# Altium PCB ADCS_PCB_2.PcbDoc (part 1 of 3) (continued)
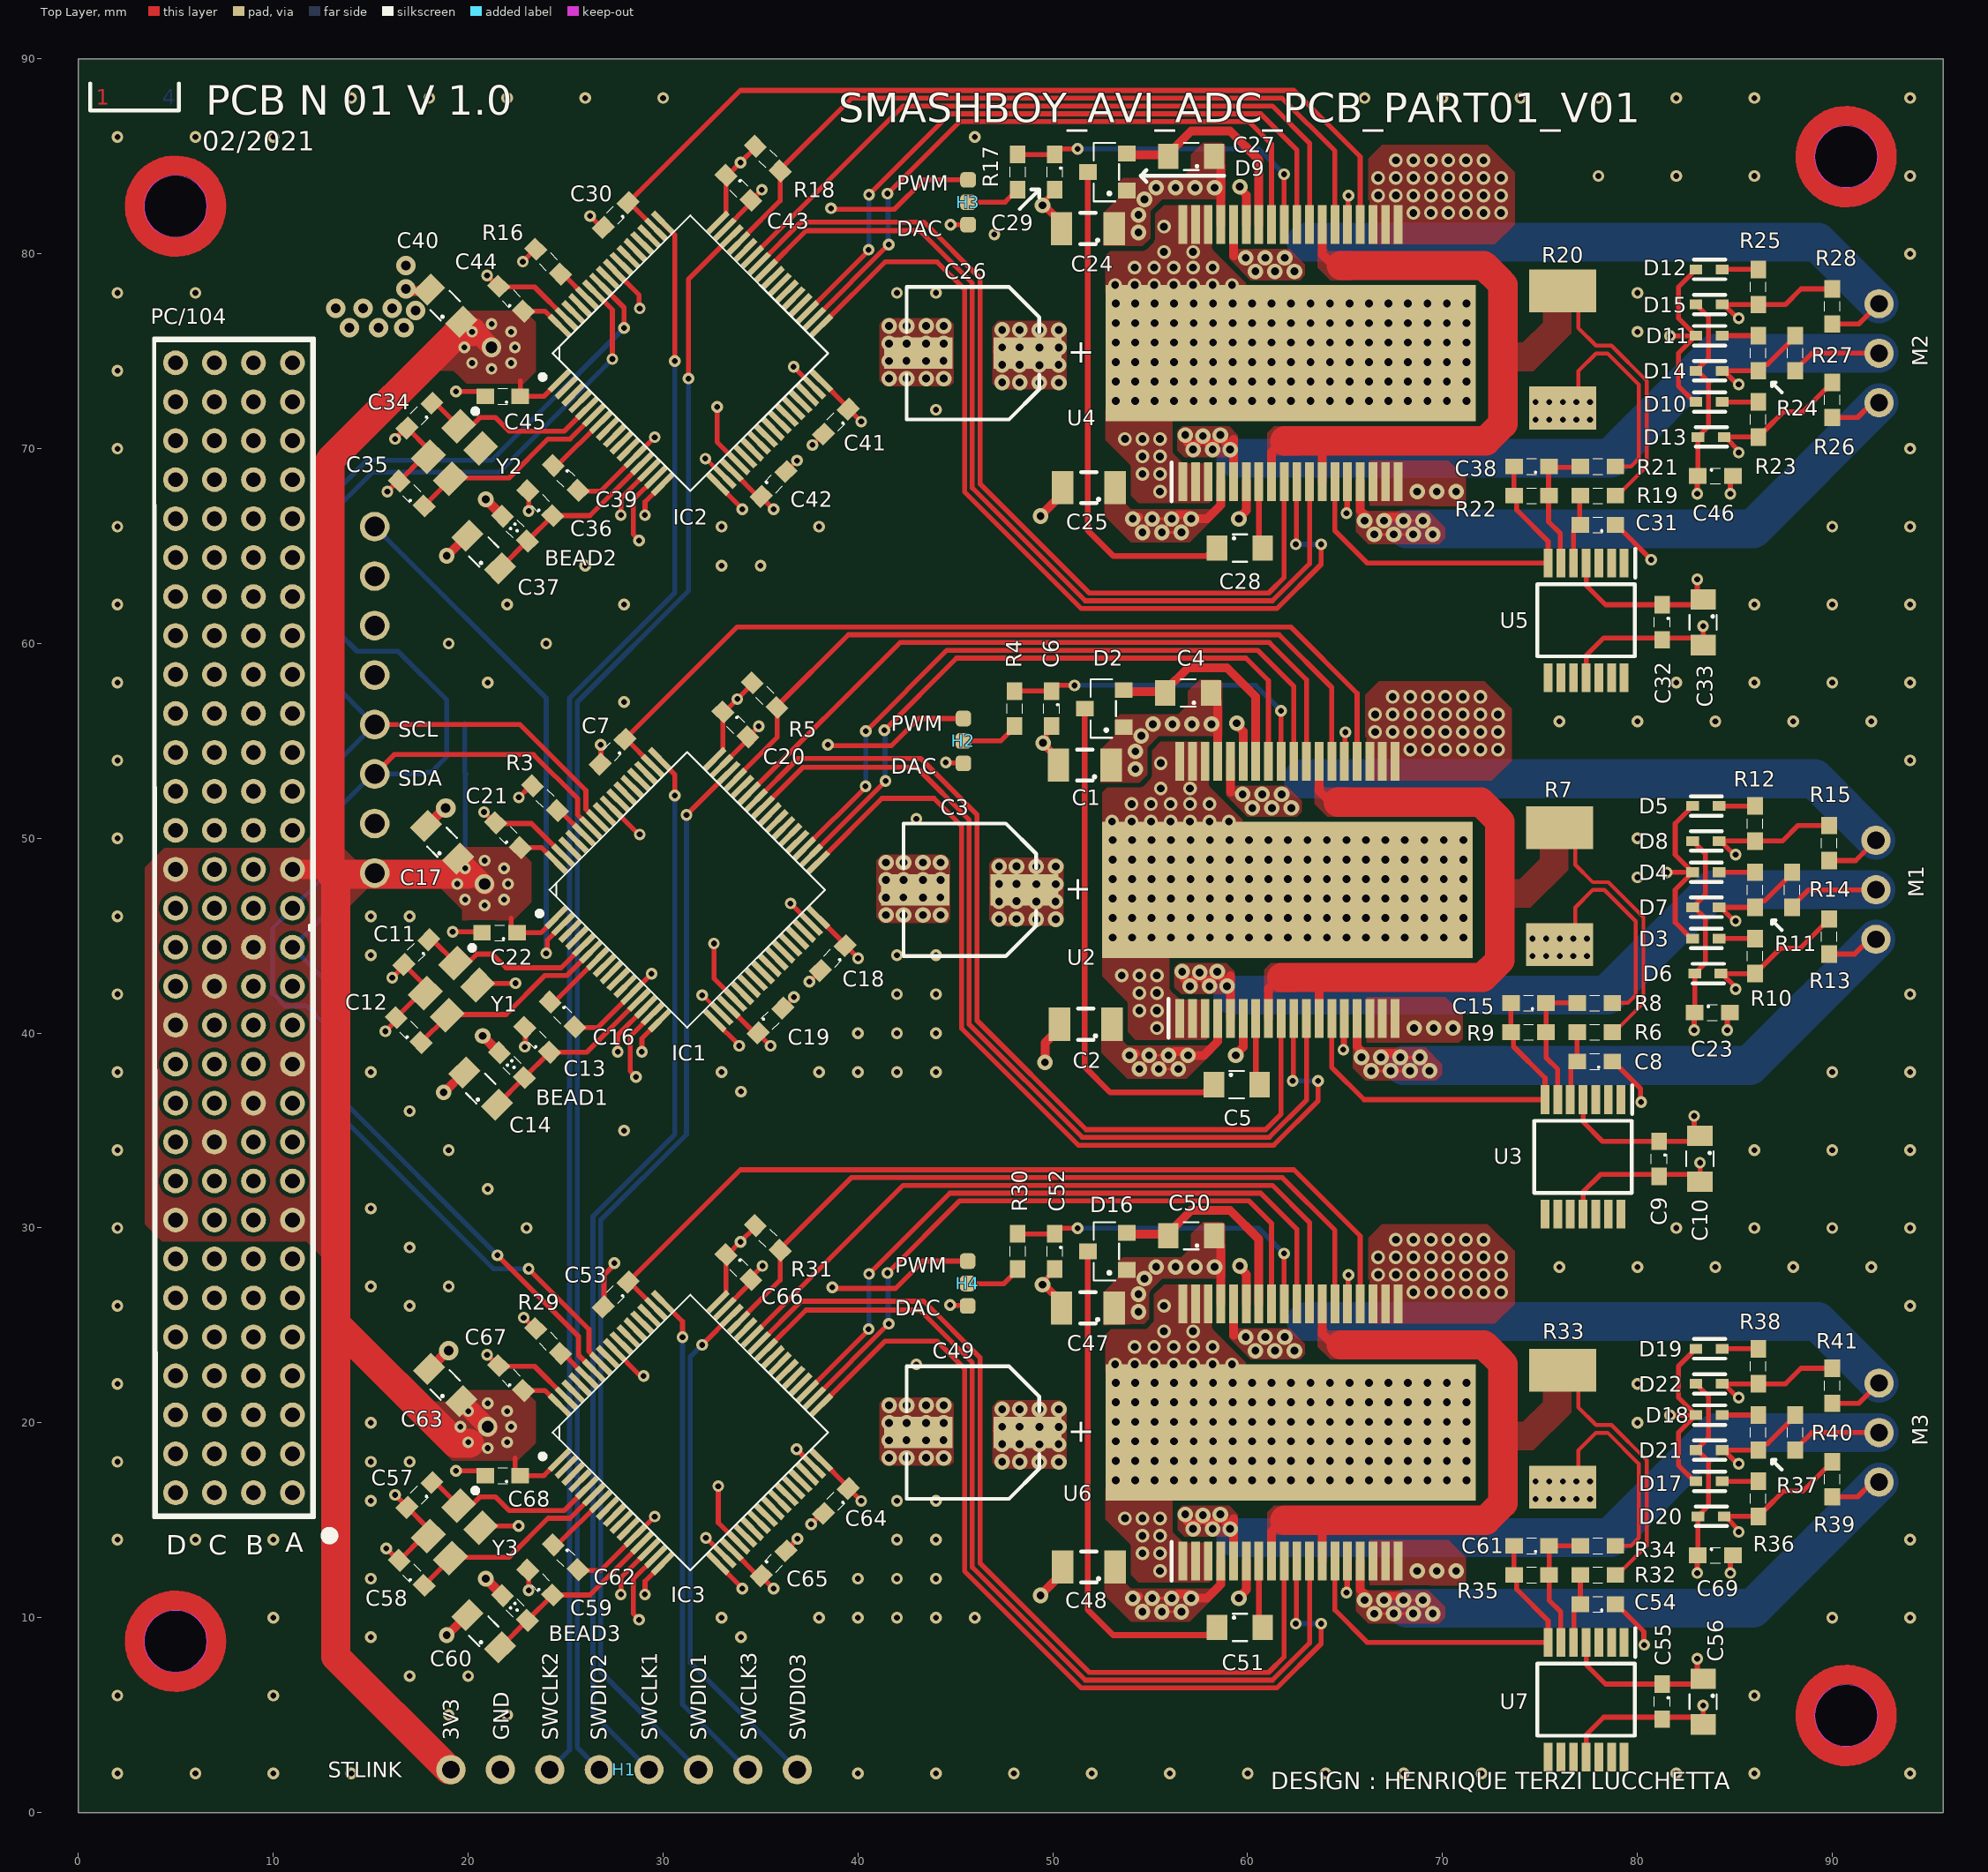
[diagram p0: Top Layer view]
## Components (designator, comment, footprint, x,y, rotation, side; value= is the part's Value field where it differs from the comment)
BEAD1 "600R @ 100MHz" IND0603 22.24,38.36 r135 top
BEAD2 "600R @ 100MHz" IND0603 22.4,65.9 r135 top
BEAD3 "600R @ 100MHz" IND0603 22.4,10.5 r135 top
C1 "100nF, 100V" CAP1206_090 51.64,53.76 r180 top
C2 "100nF, 100V" CAP1206_090 51.69,40.46 r180 top
C3 "100uF, 35V" WCAP-ASLI_6.3x7.7 45.74,47.36 r0 top
C4 "220nF, 16V" CAP0805_085 56.94,57.46 r180 top
C5 "100nF, 100V" CAP0805_085 59.44,37.36 r0 top
C6 "100nF, 6.3V" CAP0603_060 49.94,56.66 r270 top
C7 "1nF" CAP0603_060 27.41,54.45 r225 top
C8 "680pF" CAP0603_060 77.81,38.55 r180 top
C9 "100nF" CAP0603_060 81.11,33.55 r270 top
C10 "4.7uF" CAP0805_085 83.21,33.55 r270 top
C11 "22pF" CAP0603_060 17.34,44.16 r225 top
C12 "22pF" CAP0603_060 16.94,40.16 r135 top
C13 "10nF" CAP0603_040 23.54,39.66 r135 top
C14 "1uF" CAP0805_085 20.64,37.16 r135 top
C15 "100pF" CAP0603_060 74.41,41.55 r180 top
C16 "100nF" CAP0603_060 24.84,40.96 r315 top
C17 "4.7uF" CAP0805_125 18.66,49.8 r135 top
C18 "100nF" CAP0603_060 38.71,43.85 r225 top
C19 "100nF" CAP0603_060 35.51,40.65 r45 top
C20 "100nF" CAP0603_060 33.71,55.85 r315 top
C21 "100nF" CAP0603_060 22.04,50.16 r135 top
C22 "1uF" CAP0603_090 21.61,45.15 r180 top
C23 "100nF, 6.3V" CAP0603_060 83.84,41.06 r0 top
C24 "100nF, 100V" CAP1206_090 51.8,81.3 r180 top
C25 "100nF, 100V" CAP1206_090 51.85,68 r180 top
C26 "100uF, 35V" WCAP-ASLI_6.3x7.7 45.9,74.9 r0 top
C27 "220nF, 16V" CAP0805_085 57.1,85 r180 top
C28 "100nF, 100V" CAP0805_085 59.6,64.9 r0 top
C29 "100nF, 6.3V" CAP0603_060 50.1,84.2 r270 top
C30 "1nF" CAP0603_060 27.57,81.99 r225 top
C31 "680pF" CAP0603_060 77.97,66.09 r180 top
C32 "100nF" CAP0603_060 81.27,61.09 r270 top
C33 "4.7uF" CAP0805_085 83.37,61.09 r270 top
C34 "22pF" CAP0603_060 17.5,71.7 r225 top
C35 "22pF" CAP0603_060 17.1,67.7 r135 top
C36 "10nF" CAP0603_040 23.7,67.2 r135 top
C37 "1uF" CAP0805_085 20.8,64.7 r135 top
C38 "100pF" CAP0603_060 74.57,69.09 r180 top
C39 "100nF" CAP0603_060 25,68.5 r315 top
C40 "4.7uF" CAP0805_125 18.82,77.34 r135 top
C41 "100nF" CAP0603_060 38.87,71.39 r225 top
C42 "100nF" CAP0603_060 35.67,68.19 r45 top
C43 "100nF" CAP0603_060 33.87,83.39 r315 top
C44 "100nF" CAP0603_060 22.2,77.7 r135 top
C45 "1uF" CAP0603_090 21.77,72.69 r180 top
C46 "100nF, 6.3V" CAP0603_060 84,68.6 r0 top
C47 "100nF, 100V" CAP1206_090 51.8,25.9 r180 top
C48 "100nF, 100V" CAP1206_090 51.85,12.6 r180 top
C49 "100uF, 35V" WCAP-ASLI_6.3x7.7 45.9,19.5 r0 top
C50 "220nF, 16V" CAP0805_085 57.1,29.6 r180 top
C51 "100nF, 100V" CAP0805_085 59.6,9.5 r0 top
C52 "100nF, 6.3V" CAP0603_060 50.1,28.8 r270 top
C53 "1nF" CAP0603_060 27.57,26.59 r225 top
C54 "680pF" CAP0603_060 77.97,10.69 r180 top
C55 "100nF" CAP0603_060 81.27,5.69 r270 top
C56 "4.7uF" CAP0805_085 83.37,5.69 r270 top
C57 "22pF" CAP0603_060 17.5,16.3 r225 top
C58 "22pF" CAP0603_060 17.1,12.3 r135 top
C59 "10nF" CAP0603_040 23.7,11.8 r135 top
C60 "1uF" CAP0805_085 20.8,9.3 r135 top
C61 "100pF" CAP0603_060 74.57,13.69 r180 top
C62 "100nF" CAP0603_060 25,13.1 r315 top
C63 "4.7uF" CAP0805_125 18.82,21.94 r135 top
C64 "100nF" CAP0603_060 38.87,15.99 r225 top
C65 "100nF" CAP0603_060 35.67,12.79 r45 top
C66 "100nF" CAP0603_060 33.87,27.99 r315 top
C67 "100nF" CAP0603_060 22.2,22.3 r135 top
C68 "1uF" CAP0603_090 21.77,17.29 r180 top
C69 "100nF, 6.3V" CAP0603_060 84,13.2 r0 top
D1 "SMBJ48A" DO-214AA 14,81 r270 bottom
D2 "SMBD 7000" SOT-23 52.64,56.66 r180 top
D3 "BAT30KFILM" SOD-523 83.54,44.86 r0 top
D4 "BAT30KFILM" SOD-523 83.54,48.26 r0 top
D5 "BAT30KFILM" SOD-523 83.54,51.66 r0 top
D6 "BAT30KFILM" SOD-523 83.64,43.06 r0 top
D7 "BAT30KFILM" SOD-523 83.54,46.46 r0 top
D8 "BAT30KFILM" SOD-523 83.54,49.86 r0 top
D9 "SMBD 7000" SOT-23 52.8,84.2 r180 top
D10 "BAT30KFILM" SOD-523 83.7,72.4 r0 top
D11 "BAT30KFILM" SOD-523 83.7,75.8 r0 top
D12 "BAT30KFILM" SOD-523 83.7,79.2 r0 top
D13 "BAT30KFILM" SOD-523 83.8,70.6 r0 top
D14 "BAT30KFILM" SOD-523 83.7,74 r0 top
D15 "BAT30KFILM" SOD-523 83.7,77.4 r0 top
D16 "SMBD 7000" SOT-23 52.8,28.8 r180 top
D17 "BAT30KFILM" SOD-523 83.7,17 r0 top
D18 "BAT30KFILM" SOD-523 83.7,20.4 r0 top
D19 "BAT30KFILM" SOD-523 83.7,23.8 r0 top
D20 "BAT30KFILM" SOD-523 83.8,15.2 r0 top
D21 "BAT30KFILM" SOD-523 83.7,18.6 r0 top
D22 "BAT30KFILM" SOD-523 83.7,22 r0 top
H1 "STLINK" Header-8P 28,2.2 r0 top locked
H2 "Header 3P" Header-3P#1 45.41,55.01 r270 top
H3 "Header 3P" Header-3P#2 45.57,82.55 r270 top
H4 "Header 3P" Header-3P#3 45.65,27.2 r270 top
IC1 "STM32F302R8" LQFP-64-10X10X5 31.24,47.36 r45 top
IC2 "STM32F302R8" LQFP-64-10X10X5 31.4,74.9 r45 top
IC3 "STM32F302R8" LQFP-64-10X10X5 31.4,19.5 r45 top
M1 "Motor" Header-3P#4 92.24,47.36 r90 top
M2 "Motor" Header-3P#4 92.4,74.9 r90 top
M3 "Motor" Header-3P#4 92.4,19.5 r90 top
PC/104 "1375799-1" 1375799-1 4.98,16.41 r0 top locked
R1 "10k" RES0603 18.92,55.89 r0 bottom
R2 "10k" RES0603 18.92,53.34 r0 bottom
R3 "10k" RES0603 23.94,52.06 r135 top
R4 "33k" RES0603 48.04,56.66 r270 top
R5 "10k" RES0603 35.21,57.35 r135 top
R6 "680R" RES0603 77.81,40.05 r180 top
R7 "0.33R 1W" RES2512 76.01,47.55 r90 top
R8 "2.2k" RES0603 77.81,41.55 r180 top
R9 "4.4k" RES0603 74.41,40.05 r180 top
R10 "2k2" RES0603 86.04,43.96 r90 top
R11 "2k2" RES0603 86.04,47.36 r90 top
R12 "2k2" RES0603 86.04,50.76 r90 top
R13 "10k" RES0603 89.84,44.96 r270 top
R14 "10k" RES0603 87.94,47.36 r270 top
R15 "10k" RES0603 89.84,49.76 r270 top
R16 "10k" RES0603 24.1,79.6 r135 top
R17 "33k" RES0603 48.2,84.2 r270 top
R18 "10k" RES0603 35.37,84.89 r135 top
R19 "680R" RES0603 77.97,67.59 r180 top
R20 "0.33R 1W" RES2512 76.17,75.09 r90 top
R21 "2.2k" RES0603 77.97,69.09 r180 top
R22 "4.4k" RES0603 74.57,67.59 r180 top
R23 "2k2" RES0603 86.2,71.5 r90 top
R24 "2k2" RES0603 86.2,74.9 r90 top
R25 "2k2" RES0603 86.2,78.3 r90 top
R26 "10k" RES0603 90,72.5 r270 top
R27 "10k" RES0603 88.1,74.9 r270 top
R28 "10k" RES0603 90,77.3 r270 top
R29 "10k" RES0603 24.1,24.2 r135 top
R30 "33k" RES0603 48.2,28.8 r270 top
R31 "10k" RES0603 35.37,29.49 r135 top
R32 "680R" RES0603 77.97,12.19 r180 top
R33 "0.33R 1W" RES2512 76.17,19.69 r90 top
R34 "2.2k" RES0603 77.97,13.69 r180 top
R35 "4.4k" RES0603 74.57,12.19 r180 top
R36 "2k2" RES0603 86.2,16.1 r90 top
R37 "2k2" RES0603 86.2,19.5 r90 top
R38 "2k2" RES0603 86.2,22.9 r90 top
R39 "10k" RES0603 90,17.1 r270 top
R40 "10k" RES0603 88.1,19.5 r270 top
R41 "10k" RES0603 90,21.9 r270 top
U1 "BNO055 Module" BNO055_M_TH 15.2,48.22 r90 bottom locked
U2 "L6230PD" SOP65P1420X360-37N 62.04,47.36 r90 top locked
U3 "TSV994AIPT" SOP65P640X120-14N 77.21,33.65 r270 top
U4 "L6230PD" SOP65P1420X360-37N 62.2,74.9 r90 top locked
U5 "TSV994AIPT" SOP65P640X120-14N 77.37,61.19 r270 top
U6 "L6230PD" SOP65P1420X360-37N 62.2,19.5 r90 top locked
U7 "TSV994AIPT" SOP65P640X120-14N 77.37,5.79 r270 top
Y1 "16MHz, +/-10ppm" WE-XTAL_CFPX-180 19.14,42.26 r225 top
Y2 "16MHz, +/-10ppm" WE-XTAL_CFPX-180 19.3,69.8 r225 top
Y3 "16MHz, +/-10ppm" WE-XTAL_CFPX-180 19.3,14.4 r225 top

## Footprints (in the part's own frame and the unit in brackets; to place one, negate y for a bottom-side part, rotate by r counter-clockwise, add the part's x,y. Pads: shape width x height; smd on the part's side, far side on the other; paste and mask are expansions set on the pad)
1375799-1 [mm] "PC/104 120 Position  2mm"
  round 1.27 hole 0.762 mask+0: 1(6,0) 2(6,2) 3(6,4) 4(6,6) 5(6,8) 6(6,10) 7(6,12) 8(6,14) 9(6,16) 10(6,18) 11(6,20) 12(6,22) 13(6,24) 14(6,26) 15(6,28) 16(6,30) 17(6,32) 18(6,34) 19(6,36) 20(6,38) 21(6,40) 22(6,42) 23(6,44) 24(6,46) 25(6,48) 26(6,50) 27(6,52) 28(6,54) 29(6,56) 30(6,58) 31(4,0) 32(4,2) 33(4,4) 34(4,6) 35(4,8) 36(4,10) 37(4,12) 38(4,14) 39(4,16) 40(4,18) 41(4,20) 42(4,22) 43(4,24) 44(4,26) 45(4,28) 46(4,30) 47(4,32) 48(4,34) 49(4,36) 50(4,38) 51(4,40) 52(4,42) 53(4,44) 54(4,46) 55(4,48) 56(4,50) 57(4,52) 58(4,54) 59(4,56) 60(4,58) 61(2,0) 62(2,2) 63(2,4) 64(2,6) 65(2,8) 66(2,10) 67(2,12) 68(2,14) 69(2,16) 70(2,18) 71(2,20) 72(2,22) 73(2,24) 74(2,26) 75(2,28) 76(2,30) 77(2,32) 78(2,34) 79(2,36) 80(2,38) 81(2,40) 82(2,42) 83(2,44) 84(2,46) 85(2,48) 86(2,50) 87(2,52) 88(2,54) 89(2,56) 90(2,58) 91(0,0) 92(0,2) 93(0,4) 94(0,6) 95(0,8) 96(0,10) 97(0,12) 98(0,14) 99(0,16) 100(0,18) 101(0,20) 102(0,22) 103(0,24) 104(0,26) 105(0,28) 106(0,30) 107(0,32) 108(0,34) 109(0,36) 110(0,38) 111(0,40) 112(0,42) 113(0,44) 114(0,46) 115(0,48) 116(0,50) 117(0,52) 118(0,54) 119(0,56) 120(0,58)
  silkscreen extent -1.13,-2.4 8.1,59.28, body extent -1,-1.15 7.39,59.15, height 9.45
BNO055_M_TH [mil] "Module Board"
  round 60 hole 40: 1(0,0) 2(100,0) 3(200,0) 4(300,0) 5(400,0) 6(500,0) 7(600,0) 8(700,0)
  silkscreen extent -52,-47 752,425, body extent -52,-49 752,425, height 208
CAP0603_040 [mm]
  rect 0.9x0.8 smd: 1(-0.9,0) 2(0.9,0)
  silkscreen extent -0.25,-0.4 0.25,0.4, body extent -0.8,-0.4 0.8,0.4, height 0.4
CAP0603_060 [mm]
  rect 0.9x0.8 smd: 1(-0.9,0) 2(0.9,0)
  silkscreen extent -0.25,-0.4 0.25,0.4, body extent -0.8,-0.4 0.8,0.4, height 0.6
CAP0603_090 [mm]
  rect 0.9x0.8 smd: 1(-0.9,0) 2(0.9,0)
  silkscreen extent -0.25,-0.4 0.25,0.4, body extent -0.8,-0.4 0.8,0.4, height 0.9
CAP0805_085 [mm]
  rect 1.05x1.3 smd: 1(-1.175,0) 2(1.175,0)
  silkscreen extent -0.38,-0.7 0.38,0.7, body extent -1,-0.62 1,0.63, height 0.85
CAP0805_125 [mm]
  rect 1.05x1.3 smd: 1(-1.175,0) 2(1.175,0)
  silkscreen extent -0.38,-0.7 0.38,0.7, body extent -1,-0.62 1,0.63, height 1.25
CAP1206_090 [mm]
  rect 1.1x1.7 smd: 1(-1.35,0) 2(1.35,0)
  silkscreen extent -0.57,-0.8 0.4,0.8, body extent -1.6,-0.8 1.6,0.8, height 0.9
DO-214AA [mm]
  rect 2.16x2.26 smd: 1(2.45,0) 2(-2.45,0)
  silkscreen extent -2.7,-1.9 2.7,1.9, body extent -2.65,-1.85 2.65,1.85, height 2.2
Header-3P#1 [mm]
  rrect50% 0.8x0.8 smd: 1(-1.14,0) 2(0.01,0) 3(1.16,0)
Header-3P#2 [mm]
  rrect50% 0.8x0.8 smd: 1(-1.25,0.08) 2(-0.1,0.08) 3(1.05,0.08)
Header-3P#3 [mm]
  rrect50% 0.8x0.8 smd: 1(-1.1,-0.02) 2(0.05,-0.02) 3(1.2,-0.02)
Header-3P#4 [mm]
  round 1.5 hole 0.9: 1(-2.54,0) 2(0,0) 3(2.54,0)
  body extent -3.81,-1.25 3.81,1.25, height 8.52
Header-8P [mm]
  round 1.5 hole 0.9: 1(-8.89,0) 2(-6.35,0) 3(-3.81,0) 4(-1.27,0) 5(1.27,0) 6(3.81,0) 7(6.35,0) 8(8.89,0)
  body extent -10.16,-1.25 10.16,1.25, height 8.52
IND0603 [mm]
  rect 0.9x0.8 smd: 1(-0.9,0) 2(0.9,0)
  silkscreen extent -0.25,-0.4 0.25,0.4, body extent -0.87,-0.47 0.88,0.48, height 0.9
LQFP-64-10X10X5 [mm]
  rect 1.45x0.3 smd: 1(-5.75,3.75) 2(-5.75,3.25) 3(-5.75,2.75) 4(-5.75,2.25) 5(-5.75,1.75) 6(-5.75,1.25) 7(-5.75,0.75) 8(-5.75,0.25) 9(-5.75,-0.25) 10(-5.75,-0.75) 11(-5.75,-1.25) 12(-5.75,-1.75) 13(-5.75,-2.25) 14(-5.75,-2.75) 15(-5.75,-3.25) 16(-5.75,-3.75) 33(5.75,-3.75) 34(5.75,-3.25) 35(5.75,-2.75) 36(5.75,-2.25) 37(5.75,-1.75) 38(5.75,-1.25) 39(5.75,-0.75) 40(5.75,-0.25) 41(5.75,0.25) 42(5.75,0.75) 43(5.75,1.25) 44(5.75,1.75) 45(5.75,2.25) 46(5.75,2.75) 47(5.75,3.25) 48(5.75,3.75)
  rect 0.3x1.45 smd: 17(-3.75,-5.75) 18(-3.25,-5.75) 19(-2.75,-5.75) 20(-2.25,-5.75) 21(-1.75,-5.75) 22(-1.25,-5.75) 23(-0.75,-5.75) 24(-0.25,-5.75) 25(0.25,-5.75) 26(0.75,-5.75) 27(1.25,-5.75) 28(1.75,-5.75) 29(2.25,-5.75) 30(2.75,-5.75) 31(3.25,-5.75) 32(3.75,-5.75) 49(3.75,5.75) 50(3.25,5.75) 51(2.75,5.75) 52(2.25,5.75) 53(1.75,5.75) 54(1.25,5.75) 55(0.75,5.75) 56(0.25,5.75) 57(-0.25,5.75) 58(-0.75,5.75) 59(-1.25,5.75) 60(-1.75,5.75) 61(-2.25,5.75) 62(-2.75,5.75) 63(-3.25,5.75) 64(-3.75,5.75)
  silkscreen extent -6.35,-5 5,5, body extent -6,-6 6,6, height 1.6
RES0603 [mm]
  rect 0.9x0.8 smd: 1(-0.9,0) 2(0.9,0)
  silkscreen extent -0.25,-0.4 0.25,0.4, body extent -1.05,-0.4 1.05,0.4, height 0.5
RES2512 [mm]
  rect 2.2x3.45 smd: 1(-3,0) 2(3,0)
  body extent -3.2,-1.65 3.2,1.65, height 0.65
SOD-523 [mm]
  rect 0.65x0.5 smd: 1(0.65,0) 2(-0.7,0)
  silkscreen extent -0.8,-0.5 0.8,0.5, body extent -0.8,-0.4 0.8,0.4, height 0.7
SOP65P640X120-14N [mm]
  rect 1.475x0.45 smd: 1(-2.938,1.95) 2(-2.938,1.3) 3(-2.938,0.65) 4(-2.938,0) 5(-2.938,-0.65) 6(-2.938,-1.3) 7(-2.938,-1.95) 8(2.938,-1.95) 9(2.938,-1.3) 10(2.938,-0.65) 11(2.938,0) 12(2.938,0.65) 13(2.938,1.3) 14(2.938,1.95)
  silkscreen extent -3.67,-2.5 1.85,2.52, body extent -3.2,-2.5 3.2,2.5, height 1.2
SOP65P1420X360-37N [mm]
  rect 2x0.45 smd: 1(-6.6,5.525) 2(-6.6,4.875) 3(-6.6,4.225) 4(-6.6,3.575) 5(-6.6,2.925) 6(-6.6,2.275) 7(-6.6,1.625) 8(-6.6,0.975) 9(-6.6,0.325) 10(-6.6,-0.325) 11(-6.6,-0.975) 12(-6.6,-1.625) 13(-6.6,-2.275) 14(-6.6,-2.925) 15(-6.6,-3.575) 16(-6.6,-4.225) 17(-6.6,-4.875) 18(-6.6,-5.525) 19(6.6,-5.525) 20(6.6,-4.875) 21(6.6,-4.225) 22(6.6,-3.575) 23(6.6,-2.925) 24(6.6,-2.275) 25(6.6,-1.625) 26(6.6,-0.975) 27(6.6,-0.325) 28(6.6,0.325) 29(6.6,0.975) 30(6.6,1.625) 31(6.6,2.275) 32(6.6,2.925) 33(6.6,3.575) 34(6.6,4.225) 35(6.6,4.875) 36(6.6,5.525)
  rect 7x19 smd: 37(0,0)
  silkscreen extent -7.6,6.1 -5.6,6.1, body extent -7.03,-8.02 7.03,7.98, height 3.6
SOT-23 [mm]
  rect 0.9x0.8 smd: 1(-1,0.95) 2(-1,-0.95) 3(1,0)
  silkscreen extent -0.6,-1.5 0.7,1.5, body extent -1.3,-1.45 1.3,1.45, height 1
WCAP-ASLI_6.3x7.7 [mm] "Aluminium Electrolytic V-Chip SMT Capacitors, 6.3x7.7mm"
  rect 3.5x1.6 smd: 1(-2.8,0) 2(2.8,0)
  silkscreen extent -3.4,-3.4 3.4,3.4, body extent -3.65,-3.3 3.65,3.3, height 7.7
WE-XTAL_CFPX-180 [mm] "Quartz Crystal, size CFPX-180, body 3.4x2.7mm"
  rect 1.4x1.15 smd: 1(-1.1,-0.8) 2(1.1,-0.8) 3(1.1,0.8) 4(-1.1,0.8)
  silkscreen extent -2.37,-0.87 -2.13,-0.63, body extent -1.7,-1.35 1.7,1.35, height 0.65

## Part data
BEAD1 BEAD2 BEAD3: library part IND0603, "Indutor SDM 0603"
C1 C2 C24 C25 C47 C48: library part CAP1206, "Capacitor SDM 1206"
C3 C26 C49: library part 865080545012, "WCAP-ASLI Aluminum Electrolytic Capacitor, V-Chip, SMT, D6.3xH7.7mm, 100uF, 35V", Capacitance=100uF, Capacitance Tolerance=+/-20%, Leakage Current=35uA, Manufacturer="Wurth Elektronik", Operating Temperature="-55 to +105degC", Rated Voltage=35VDC, Ripple Current=300mA, ComponentLink1Description=Manufacturer, ComponentLink1URL=http://www.we-online.de, ComponentLink2Description=Datasheet, ComponentLink2URL=https://www.we-online.com/catalog/datasheet/865080545012.pdf, Diameter=6.3mm, Dissipation Factor=14%, Endurance=2000h, Height=7.7mm, Manufacturer Part Number=865080545012, Mounting Technology=SMT, Packaging="Tape and Reel", Published Date="May 2020", Technical Reference=ASED077101M035DVCTCB000
C4 C5 C10 C14 C17 C27 C28 C33 C37 C40 C50 C51 C56 C60 C63: library part CAP0805, "Capacitor SDM 0805"
C6 C7 C8 C9 C11 C12 C13 C15 C16 C18 C19 C20 C21 C22 C23 C29 C30 C31 C32 C34 C35 C36 C38 C39 C41 C42 C43 C44 C45 C46 C52 C53 C54 C55 C57 C58 C59 C61 C62 C64 C65 C66 C67 C68 C69: library part CAP0603, "Capacitor SDM 0603"
D1: "The SMBJ series is designed specifically to protect / sensitive electronic equipment from voltage transients / induced by lightning and other transient voltage events."
D2 D9 D16: library part SMBD7000, "Silicon Switching Diode Array. / For high-speed switching applications."
D3 D4 D5 D6 D7 D8 D10 D11 D12 D13 D14 D15 D17 D18 D19 D20 D21 D22: library part BAT30, "The BAT30 series uses 30 V Schottky barrier / diodes encapsulated in SOD-523 or SOT-323 / packages. / This device is specially suited for switching mode / applications needing low forward voltage drop / diodes."
H1: library part Header-8P, "Header 8 Pinos"
H2 H3 H4 M1 M2 M3: library part Header-3P, "Header 3 Pinos"
IC1 IC2 IC3: library part STM32F302R, "Mainstream Mixed signals MCUs Arm Cortex-M4 core with DSP and FPU, 128 Kbytes of Flash memory, 72 MHz CPU, MPU, CCM, 12-bit ADC 5 MSPS, PGA, comparators"
PC/104: "AMPMODU PC/104, PC/104 Connectors, Board-to-Board, 120 Position, 2mm [.079in] Centerline, Printed Circuit Board, 3A Contact Current Rating (Max)"
R1 R2 R3 R4 R5 R6 R8 R9 R10 R11 R12 R13 R14 R15 R16 R17 R18 R19 R21 R22 R23 R24 R25 R26 R27 R28 R29 R30 R31 R32 R34 R35 R36 R37 R38 R39 R40 R41: library part RES0603, "Resistor SMD 0603"
R7 R20 R33: library part RES2512
U1: library part BNO055_M, "Smart sensor combining accelerometer, gyroscope, magnetometer and orientation software. Euler angles, quaternion, rotation vector, etc."
U2 U4 U6: library part L6230, "DMOS driver for three-phase brushless DC motor"
U3 U5 U7: library part TSV994, "Rail-to-rail input/output 20 MHz GBP operational amplifiers", Manufacturer_Name=STMicroelectronics, Mouser Part Number=511-TSV994AIPT, Arrow Part Number=TSV994AIPT, Arrow Price/Stock=https://www.arrow.com/en/products/tsv994aipt/stmicroelectronics, Datasheet Link=http://www.st.com/st-web-ui/static/active/en/resource/technical/document/datasheet/CD00144611.pdf, Height=1.2mm, Manufacturer_Part_Number=TSV994AIPT, Mouser Price/Stock=https://www.mouser.co.uk/ProductDetail/STMicroelectronics/TSV994AIPT/?qs=Djavi1aLnwoYgszHfckxOw%3D%3D
Y1 Y2 Y3: library part 830100965009, "WE-XTAL Quartz Crystal, SMT, CFPX-180, 16MHz, +/-10ppm", Frequency=16MHz, Frequency Stability=+/-20ppm, Frequency Tolerance=+/-10ppm, Load Capacitance=16pF, Manufacturer="Wurth Elektronik", Operating Temperature="-40 to +85degC", ComponentLink1Description=Manufacturer, ComponentLink1URL=http://www.we-online.de, ComponentLink2Description=Datasheet, ComponentLink2URL=https://katalog.we-online.com/pbs/datasheet/830100965009.pdf, Manufacturer Part Number=830100965009, Mounting Technology=SMT, Packaging="Tape and Reel", Published Date="July 2020", Size=CFPX-180

## Via types
v1: diameter 0.7, hole 0.4, Top Layer to Bottom Layer, tented both sides, 495 vias
v2: diameter 0.6, hole 0.3, Top Layer to Bottom Layer, tented both sides, 366 vias
v3: diameter 0.8, hole 0.4, Top Layer to Bottom Layer, tented both sides, 225 vias
v4: diameter 1, hole 0.5, Top Layer to Bottom Layer, tented both sides, 11 vias
v5: diameter 1, hole 0.6, Top Layer to Bottom Layer, tented both sides, 3 vias

## Nets (pads, with @x,y where several pads share a name; then routed paths per layer and width w, separated by ;. In a path a pad name is that pad's centre, name@x,y a point inside that pad or via, vN(x,y) a via of type N, cw(c..) or ccw(c..) an arc to the next point about the centre after c; other vN are vias at no path point)
3V3: BEAD1.2 BEAD2.2 BEAD3.2 C9.1 C10.1 C17.1 C18.1 C19.1 C20.1 C21.1 C22.1 C23.1 C32.1 C33.1 C40.1 C41.1 C42.1 C43.1 C44.1 C45.1 C46.1 C55.1 C56.1 C63.1 C64.1 C65.1 C66.1 C67.1 C68.1 C69.1 D6.2 D7.2 D8.2 D13.2 D14.2 D15.2 D20.2 D21.2 D22.2 H1.1 IC1.1 IC1.19 IC1.32 IC1.48 IC1.64 IC2.1 IC2.19 IC2.32 IC2.48 IC2.64 IC3.1 IC3.19 IC3.32 IC3.48 IC3.64 PC/104.8 PC/104.12 PC/104.17 PC/104.41 PC/104.45 PC/104.70 PC/104.74 PC/104.98 PC/104.103 PC/104.107 R1.2 R2.2 R5.2 R18.2 R31.2 U1.1 U3.4 U5.4 U7.4 | length 571.1
  Top Layer w0.254: 22.2,45.893 22.2,45.423 22.473,45.15 23.727,45.15 IC1.1@24.41,45.833 ; 22.4,18.182 22.4,17.56 C68.1@22.67,17.29 23.887,17.29 IC3.1@24.57,17.973 ; C21.1@22.604,49.524 C21.1@22.676,49.524 22.712,49.488 23.098,49.488 23.133,49.524 23.773,49.524 IC1.64@24.522,48.774 ; 22.67,73.482 C45.1@22.67,72.69 23.887,72.69 IC2.1@24.57,73.373 ; C67.1@22.764,21.664 C67.1@22.836,21.664 22.872,21.628 23.258,21.628 23.293,21.664 23.933,21.664 IC3.64@24.682,20.914 ; C44.1@22.764,77.064 C44.1@22.836,77.064 22.872,77.028 23.258,77.028 23.293,77.064 23.933,77.064 IC2.64@24.682,76.314 ; IC1.48@32.654,54.078 33.061,54.484 33.061,56.017 33.11,56.066 C20.1@33.11,56.45 ; IC3.48@32.814,26.218 33.221,26.624 33.221,28.157 33.27,28.206 C66.1@33.27,28.59 ; IC2.48@32.814,81.618 33.221,82.024 33.221,83.557 33.27,83.606 C43.1@33.27,83.99 ; C20.1@33.074,56.486 33.146,56.486 v2(33.81,57.15) 34.574,57.914 R5.2@34.574,57.986 ; C66.1@33.234,28.626 33.306,28.626 v2(33.97,29.29) 34.734,30.054 R31.2@34.734,30.126 ; C43.1@33.234,84.026 33.306,84.026 v2(33.97,84.69) 34.734,85.454 R18.2@34.734,85.526 ; IC1.19@33.361,41.339 IC1.19@33.361,41.35 34.761,39.95 C19.1@34.91,39.95 ; IC3.19@33.521,13.479 IC3.19@33.521,13.49 34.921,12.09 C65.1@35.07,12.09 ; IC2.19@33.521,68.879 IC2.19@33.521,68.89 34.921,67.49 C42.1@35.07,67.49 ; C19.1@34.874,40.014 34.874,39.986 v2(35.51,39.35) ; C65.1@35.034,12.154 35.034,12.126 v2(35.67,11.49) ; C42.1@35.034,67.554 35.034,67.526 v2(35.67,66.89) ; IC1.32@37.958,45.946 IC1.32@37.958,45.946 39.31,44.593 C18.1@39.31,44.45 ; IC3.32@38.118,18.084 IC3.32@38.118,18.086 39.47,16.733 C64.1@39.47,16.59 ; IC2.32@38.118,73.484 IC2.32@38.118,73.486 39.47,72.133 C41.1@39.47,71.99 ; C18.1@39.346,44.486 39.374,44.486 v2(40.01,43.85) ; C64.1@39.506,16.626 39.534,16.626 v2(40.17,15.99) ; C41.1@39.506,72.026 39.534,72.026 v2(40.17,71.39) ; U3.4@77.21,36.588 77.21,35.45 78.21,34.45 C9.1@81.11,34.45 82.81,34.45 C10.1@83.21,34.85 ; U7.4@77.37,8.728 77.37,7.59 78.37,6.59 82.97,6.59 C56.1@83.37,6.99 ; U5.4@77.37,64.128 77.37,62.99 78.37,61.99 82.97,61.99 C33.1@83.37,62.39 ; D7.2@82.84,46.46 D7.2@82.915,46.46 ; D8.2@82.84,49.86 D8.2@82.915,49.86 ; v2(82.91,35.75) 82.91,35.123 83.183,34.85 C10.1@83.21,34.85 ; v2(82.91,40.15) 82.91,41.03 C23.1@82.94,41.06 ; C23.1@82.94,41.16 D6.2@82.94,43.06 83.015,43.06 83.138,43.183 83.138,43.258 83.492,43.612 83.492,45.883 D7.2@82.915,46.46 ; D21.2@83,18.6 D21.2@83.075,18.6 ; D22.2@83,22 D22.2@83.075,22 ; D14.2@83,74 D14.2@83.075,74 ; D15.2@83,77.4 D15.2@83.075,77.4 ; D8.2@83.038,49.983 D8.2@82.915,49.86 ; v2(83.07,7.89) 83.07,7.263 83.343,6.99 C56.1@83.37,6.99 ; v2(83.07,12.29) 83.07,13.17 C69.1@83.1,13.2 ; v2(83.07,63.29) 83.07,62.663 83.343,62.39 C33.1@83.37,62.39 ; v2(83.07,67.69) 83.07,68.57 C46.1@83.1,68.6 ; C69.1@83.1,13.3 D20.2@83.1,15.2 83.175,15.2 83.298,15.323 83.298,15.398 83.652,15.752 83.652,18.023 D21.2@83.075,18.6 ; C46.1@83.1,68.7 D13.2@83.1,70.6 83.175,70.6 83.298,70.723 83.298,70.798 83.652,71.152 83.652,73.423 D14.2@83.075,74 ; D22.2@83.198,22.123 D22.2@83.075,22 ; D15.2@83.198,77.523 D15.2@83.075,77.4 ; C10.1@83.21,34.725 C10.1@83.21,34.85 ; C56.1@83.37,6.865 C56.1@83.37,6.99 ; C33.1@83.37,62.265 C33.1@83.37,62.39 ; D7.2@82.915,46.46 83.038,46.583 83.038,46.658 83.492,47.112 83.492,49.208 83.309,49.391 83.038,49.662 83.038,49.737 D8.2@82.915,49.86 ; D21.2@83.075,18.6 83.198,18.723 83.198,18.798 83.652,19.252 83.652,21.348 83.469,21.531 83.198,21.802 83.198,21.877 D22.2@83.075,22 ; D14.2@83.075,74 83.198,74.123 83.198,74.198 83.652,74.652 83.652,76.748 83.469,76.931 83.198,77.202 83.198,77.277 D15.2@83.075,77.4